# Altium PCB spd150.PcbDoc (part 1 of 16) (continued)
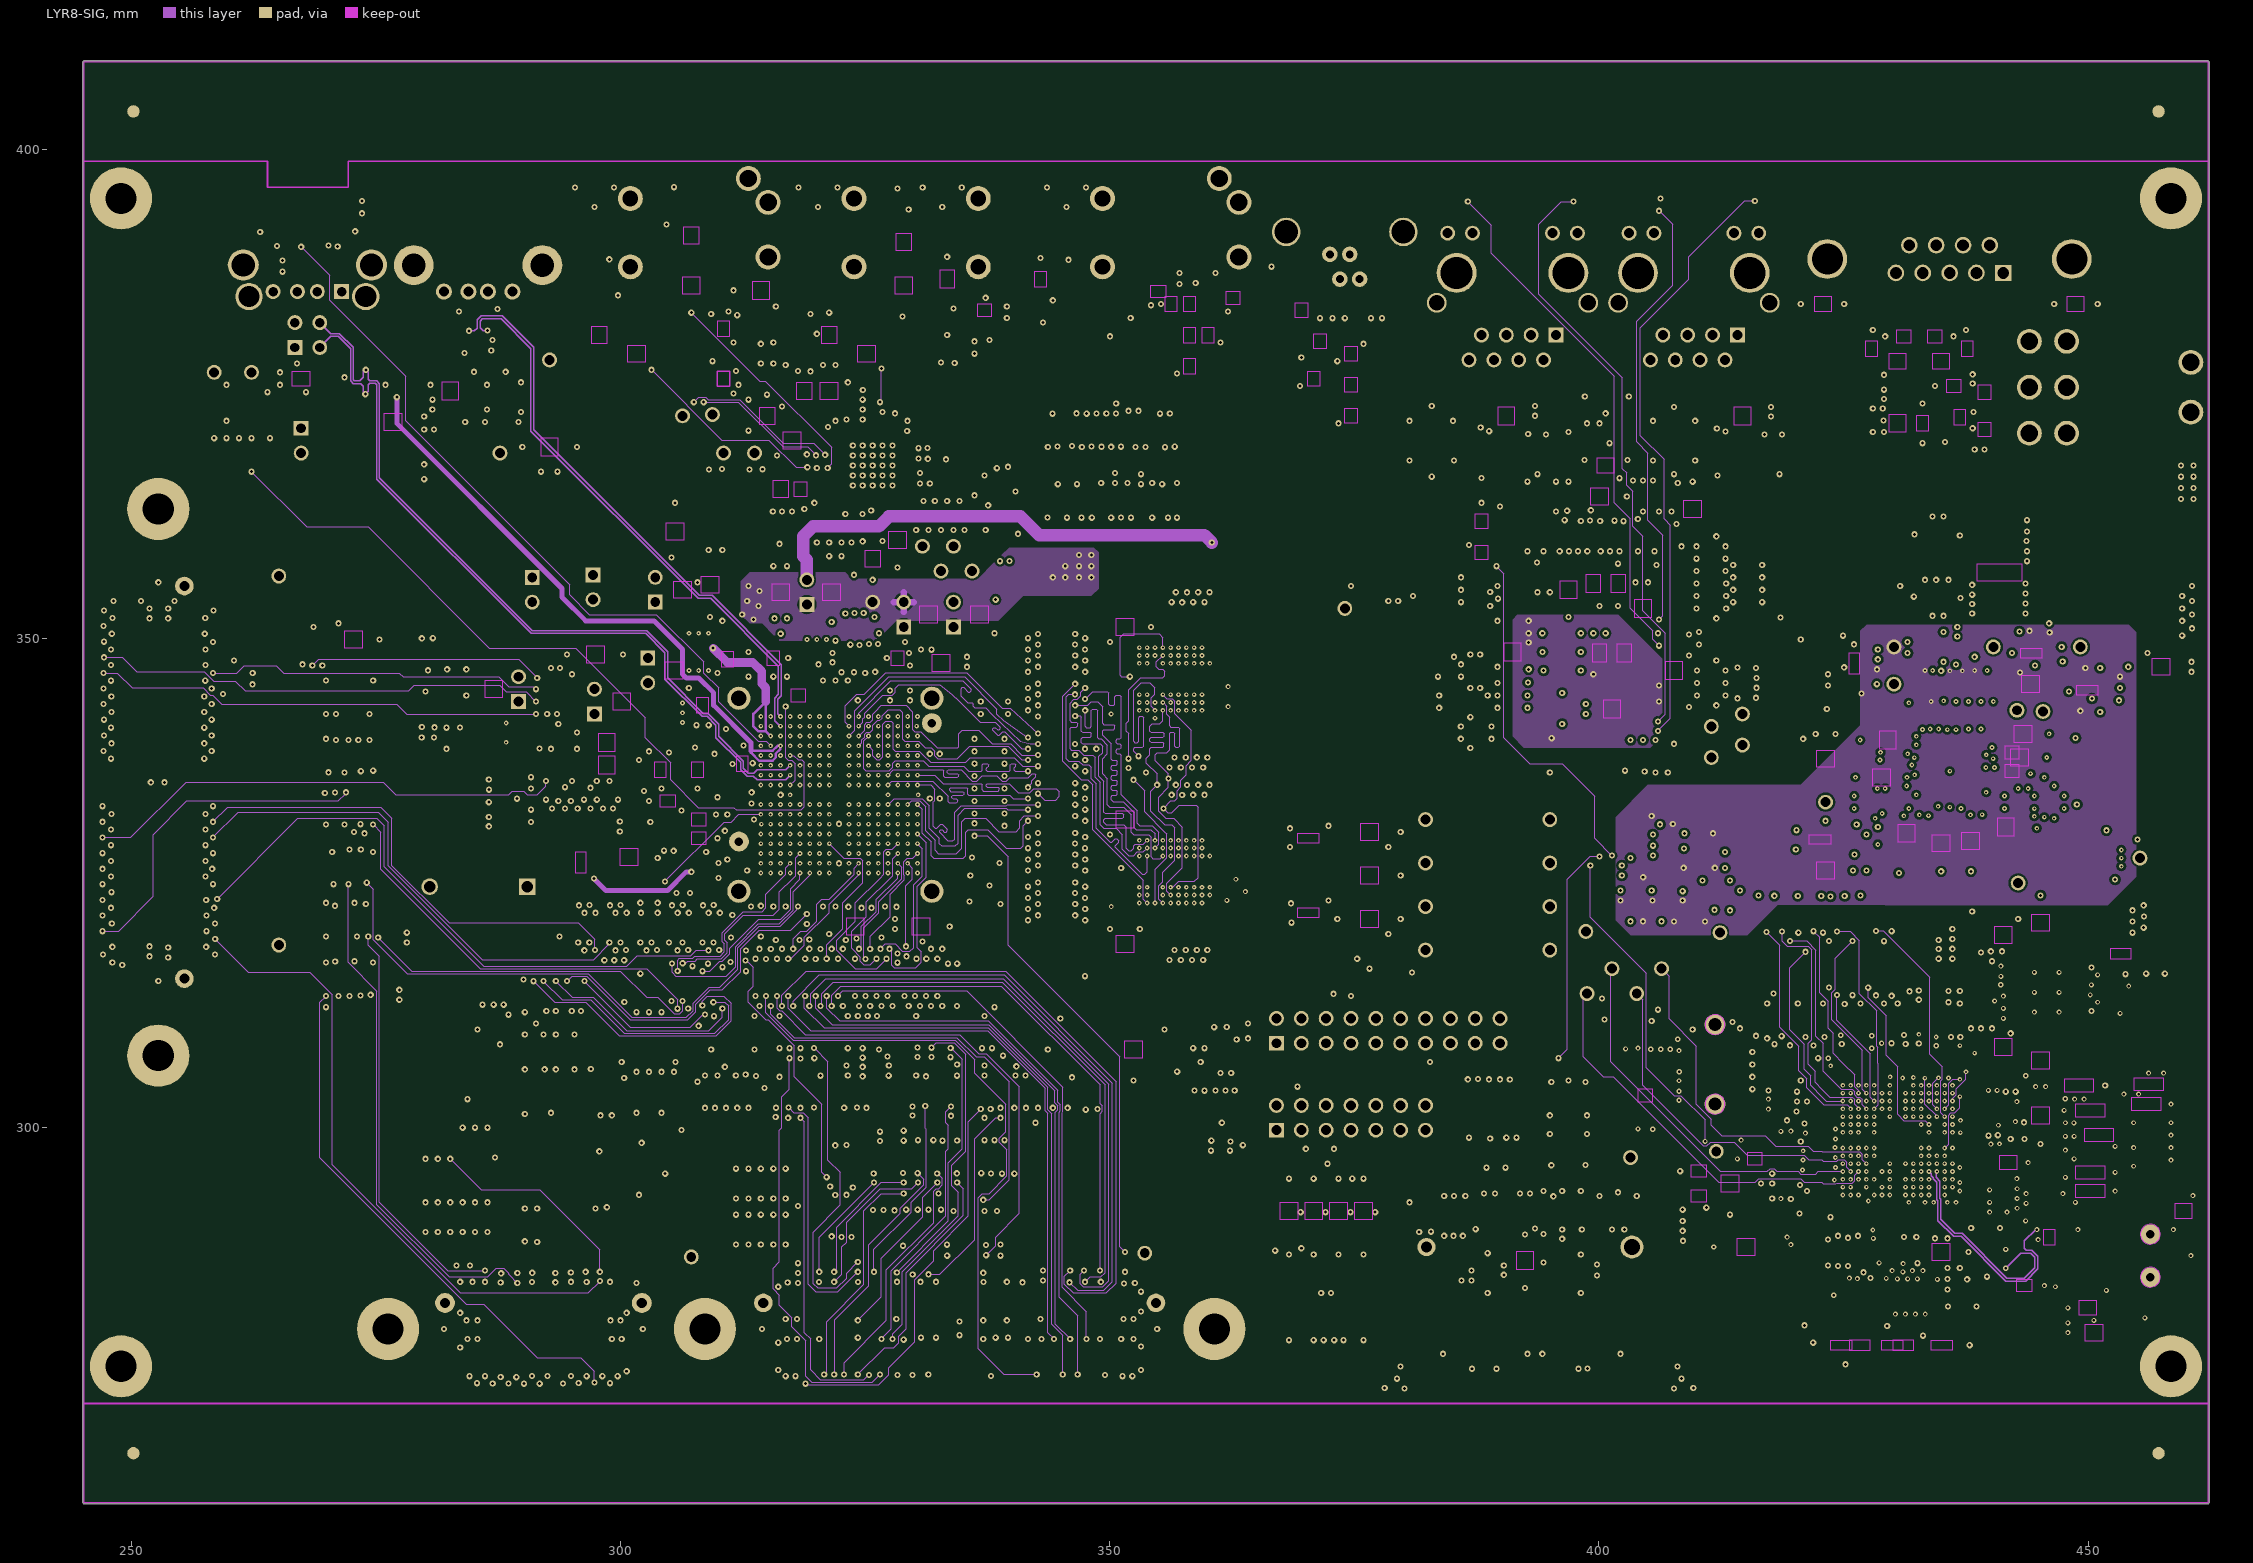
[diagram p8: LYR8-SIG]
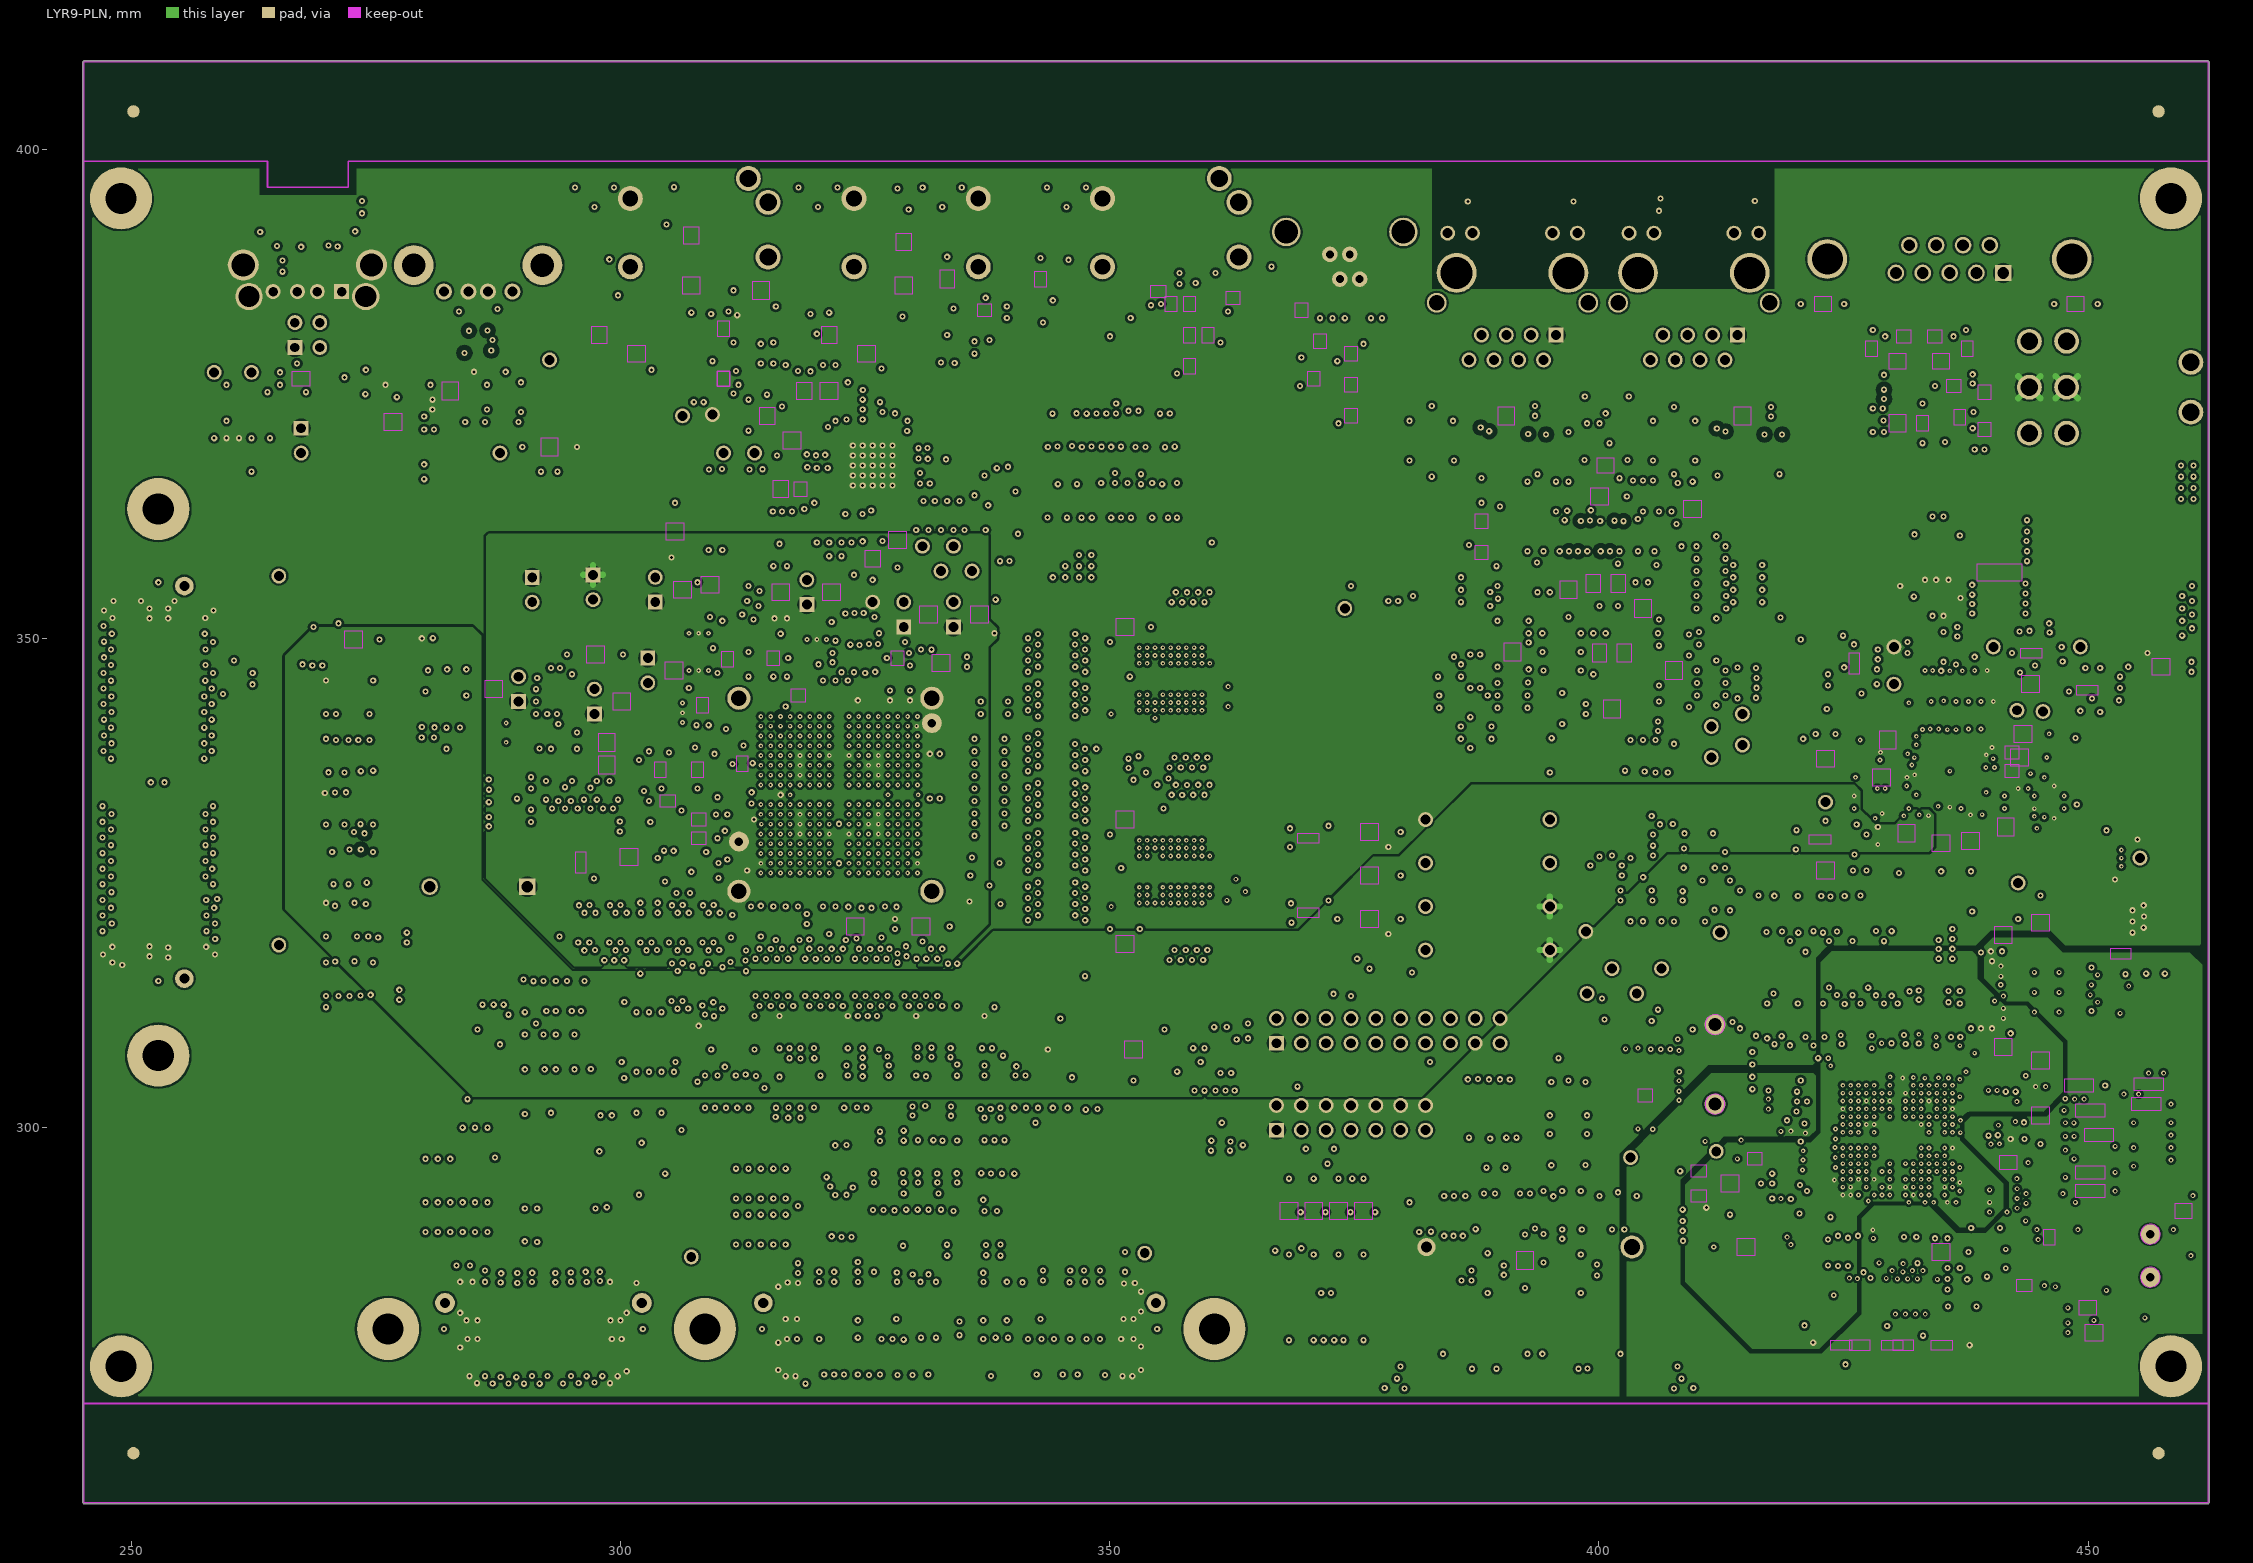
[diagram p9: LYR9-PLN]

## Layer stack, top to bottom
Top Solder: solder mask 0.0102, Solder Resist, Dk 3.5
TOP: signal copper 0.0305
Dielectric 1: core 0.2032, FR-4, Dk 4.5
LYR2-PLN: signal copper 0.0305
Dielectric2: core 0.2032, FR-4, Dk 4.5
LYR3-SIG: signal copper 0.0305
Dielectric3: core 0.2032, FR-4, Dk 4.5
LYR4-SIG: signal copper 0.0305
Dielectric4: core 0.2032, FR-4, Dk 4.5
LYR5-PLN: signal copper 0.0305
Dielectric5: core 0.2032, FR-4, Dk 4.5
LYR6-PLN: signal copper 0.0305
Dielectric6: core 0.2032, FR-4, Dk 4.5
LYR7-SIG: signal copper 0.0305
Dielectric7: core 0.2032, FR-4, Dk 4.5
LYR8-SIG: signal copper 0.0305
Dielectric8: core 0.2032, FR-4, Dk 4.5
LYR9-PLN: signal copper 0.0305
Dielectric9: core 0.2032, FR-4, Dk 4.5
BOTTOM: signal copper 0.0305
Bottom Solder: solder mask 0.0102, Solder Resist, Dk 3.5

## Board outline
245.021,261.62 245.11,261.531 462.28,261.531 462.369,261.62 462.369,408.94 462.28,409.029 245.11,409.029 245.021,408.94

## Design rules (kind name [scope] priority, off if disabled: settings)
Clearance Net_Clearance_14 [InNet('N16933246')] p1: gap=0.508
Clearance Net_Clearance_13 [InNet('N16933323')] p2: gap=0.508
Clearance Net_Clearance_12 [InNet('TXP2')] p3: gap=0.508
Clearance Net_Clearance_11 [InNet('TXM2')] p4: gap=0.508
Clearance Net_Clearance_10 [InNet('RXP2')] p5: gap=0.508
Clearance Net_Clearance_9 [InNet('RXP1')] p6: gap=0.508
Clearance Net_Clearance_8 [InNet('USB_DM')] p7: gap=0.508
Clearance Net_Clearance_7 [InNet('USB_DP')] p8: gap=0.508
Clearance Net_Clearance_6 [InNet('TXM1')] p9: gap=0.508
Clearance Net_Clearance_5 [InNet('TXP1')] p10: gap=0.508
Clearance Net_Clearance_4 [InNet('RXM1')] p11: gap=0.508
Clearance Net_Clearance_3 [InNet('RXM2')] p12: gap=0.508
Clearance Net_Clearance_2 [InNet('UART2_TXD')] p13: gap=0.508
Clearance Net_Clearance_1 [InNet('UART2_RXD')] p14: gap=0.508
Clearance [All] p15: gap=0.254
PlaneConnect [All] p1: planeconnectstyle=Direct reliefexpansion=0.508 reliefentries=4 reliefconductorwidth=0.254 reliefairgap=0.254
PolygonConnect [All] p1: connectstyle=Direct reliefconductorwidth=0.254 reliefentries=4 polygonreliefangle="90 Angle" airgapwidth=0.254
RoutingVias [All] p1: holewidth=0.711 width=1.27 viastyle="Through Hole" minholewidth=0.711 minwidth=1.27 maxholewidth=0.711 maxwidth=1.27
SolderMaskExpansion [All] p1: expansion=0.102
Width [All] p1: maxlimit=0.254 minlimit=0.254 preferedwidth=0.254 impedancedriven=TRUE minimp=0.000000 maximp=0.000000 favimp=0.000000
29 further rules are at their usual default settings.

## Components (designator, comment, footprint, x,y, rotation, side; value= is the part's Value field where it differs from the comment)
C1 "CAP NP_C402-25_0.1UF" C402-25#1 280.035,348.615 r180 bottom
C2 "CAP NP_1_C402-25_0.1UF" C402-25#1 292.1,337.185 r180 bottom
C3 "CAP NP_2_C402-25_.1UF" C402-25#1 289.814,331.724 r90 bottom
C4 "CAP NP_2_C402-25_.1UF" C402-25#1 289.814,335.153 r90 bottom
C5 "CAP NP_1_C402-25_0.1UF" C402-25#1 339.09,360.68 r180 bottom
C6 "CAP NP_1_C402-25_0.1UF" C402-25#1 339.09,366.395 r180 bottom
C7 "CAP NP_1_C402-25_0.1UF" C402-25#1 350.52,363.855 r270 bottom
C8 "CAP NP_0_C402-25_.01UF" C402-25#1 351.79,363.855 r270 bottom
C9 "CAP NP_C402-25_0.1UF" C402-25#1 269.875,344.17 r90 bottom
C10 "CAP NP_C402-25_0.1UF" C402-25#1 309.245,309.88 r90 bottom
C11 "CAP NP_C402-25_0.1UF" C402-25#1 269.875,321.31 r90 bottom
C12 "CAP NP_C402-25_0.1UF" C402-25#1 269.875,332.74 r90 bottom
C13 "CAP 4_1.7UF TAN 10V 20% EIA_A_C" C1206-40X70-POL#1 292.735,369.57 r0 bottom
C14 "CAP 4_1.7UF TAN 10V 20% EIA_A_1" C1206-40X70P 276.733,372.11 r0 top
C15 "CAP 100NF CERMC 16V 10% 603_C40" C402-25#1 266.7,377.19 r180 bottom
C16 "CAP 4_1.7UF TAN 10V 20% EIA_A_2" C7343-84X118 274.955,367.03 r0 top
C17 "CAP NP_C402-25_0.001UF" C402-25#2 308.483,339.725 r270 top
C18 "CAP NP_C402-25_0.1UF" C402-25#1 308.483,339.725 r90 bottom
C19 "CAP NP_C402-25_0.01UF" C402-25#1 309.88,339.725 r90 bottom
C20 "CAP NP_C603-35X45_1UF" C603-35X45#1 312.42,337.185 r90 bottom
C21 "CAP NP_C402-25_0.001UF" C402-25#2 318.77,347.345 r180 top
C22 "CAP NP_C402-25_0.1UF" C402-25#1 318.77,347.345 r0 bottom
C23 "CAP NP_C402-25_0.01UF" C402-25#1 318.77,346.075 r0 bottom
C24 "CAP NP_C603-35X45_1UF" C603-35X45#1 318.135,344.17 r0 bottom
C25 "CAP NP_C402-25_0.1UF" C402-25#2 437.134,281.686 r0 top
C26 "CAP NP_C402-25_NO-POP" C402-25#1 315.595,347.98 r270 bottom
C27 "CAP NP_C603-35X45_.22UF" C603-35X45#2 315.595,347.98 r90 top
C28 "CAP 4_1.7UF TAN 10V 20% EIA_A_C" C1206-40X70-POL#1 282.575,375.285 r270 bottom
C29 "CAP 4_1.7UF TAN 10V 20% EIA_A_2" C7343-84X118 292.735,372.11 r270 top
C30 "CAP 100NF CERMC 16V 10% 603_C40" C402-25#1 288.29,375.92 r180 bottom
C31 "CAP NP_C402-25_0.001UF" C402-25#2 308.737,342.646 r270 top
C32 "CAP NP_C402-25_0.1UF" C402-25#1 313.055,341.122 r90 bottom
C33 "CAP NP_C402-25_0.01UF" C402-25#1 311.785,341.122 r90 bottom
C34 "CAP NP_C603-35X45_1UF" C603-35X45#1 308.356,343.154 r90 bottom
C35 "CAP NP_C402-25_0.001UF" C402-25#2 310.515,350.266 r90 top
C36 "CAP NP_C402-25_0.1UF" C402-25#2 310.515,347.726 r270 top
C37 "CAP NP_C402-25_0.01UF" C402-25#1 309.753,350.52 r270 bottom
C38 "CAP NP_C603-35X45_1UF" C603-35X45#1 310.896,347.853 r90 bottom
C39 "CAP NP_2_C402-25_.1UF" C402-25#1 312.801,321.183 r180 bottom
C40 "CAP NP_C402-25_0.1UF" C402-25#1 316.23,309.88 r90 bottom
C41 "CAP NP_C402-25_0.1UF" C402-25#1 323.215,309.88 r90 bottom
C42 "CAP NP_C402-25_0.1UF" C402-25#1 330.2,309.88 r90 bottom
C43 "CAP NP_C402-25_0.1UF" C402-25#1 337.185,309.88 r90 bottom
C44 "CAP NP_C402-25_0.1UF" C402-25#2 308.483,325.501 r0 top
C45 "CAP NP_C402-25_0.01UF" C402-25#2 308.483,327.025 r0 top
C46 "CAP NP_3_C603-35X45_18 PF" C603-35X45#1 307.975,329.565 r0 bottom
C47 "CAP NP_3_C603-35X45_18 PF" C603-35X45#1 307.975,331.47 r0 bottom
C48 "CAP NP_3_C603-35X45_18 PF" C603-35X45#1 304.038,336.55 r270 bottom
C49 "CAP NP_3_C603-35X45_18 PF" C603-35X45#1 307.848,336.55 r270 bottom
C50 "CAP NP_7_C603-35X45_22PF" C603-35X45#2 304.8,333.375 r180 top
C51 "CAP NP_C402-25_0.1UF" C402-25#1 306.07,326.136 r90 bottom
C52 "CAP NP_C603-35X45_1UF" C603-35X45#2 328.295,347.98 r90 top
C53 "CAP NP_C402-25_0.01UF" C402-25#3 318.783,334.01 r0 bottom
C54 "CAP NP_C402-25_0.1UF" C402-25#4 325.882,334.01 r180 bottom
C55 "CAP NP_C402-25_0.001UF" C402-25#1 328.295,347.98 r270 bottom
C56 "CAP NP_C402-25_0.1UF" C402-25#5 314.3,339.565 r0 bottom
C57 "CAP NP_C402-25_0.1UF" C402-25#1 312.496,347.345 r270 bottom
C58 "CAP NP_C402-25_0.01UF" C402-25#1 313.812,347.261 r270 bottom
C59 "NPCAP_0_C402-25_0.1UF" C402-25#4 323.85,334.01 r180 bottom
C60 "NPCAP_0_C402-25_0.1UF" C402-25#4 322.326,334.518 r90 bottom
C61 "NPCAP_0_C402-25_0.1UF" C402-25#1 312.42,332.105 r180 bottom
C62 "NPCAP_0_C402-25_0.1UF" C402-25#6 320.319,331.495 r0 bottom
C63 "NPCAP_0_C402-25_0.1UF" C402-25#1 332.105,334.645 r0 bottom
C64 "NPCAP_0_C402-25_0.1UF" C402-25#4 322.326,332.486 r90 bottom
C65 "NPCAP_0_C402-25_0.1UF" C402-25#4 320.319,332.511 r0 bottom
C66 "NPCAP_0_C402-25_0.1UF" C402-25#4 322.326,336.55 r90 bottom
C67 "NPCAP_0_C402-25_0.1UF" C402-25#4 320.802,334.01 r0 bottom
C68 "NPCAP_0_C402-25_0.1UF" C402-25#4 320.319,336.525 r0 bottom
C69 "CAP P_C1206-40X70P_33UF" C1206-40X70P 297.434,348.361 r0 top
C70 "CAP P_C1206-40X70P_33UF" C1206-40X70P 323.977,320.548 r0 top
C71 "CAP P_C1206-40X70P_33UF" C1206-40X70P 332.74,347.472 r0 top
C72 "CAP P_C1206-40X70P_33UF" C1206-40X70P 309.118,355.473 r90 top
C73 "NPCAP_0_C402-25_0.1UF" C402-25#4 324.333,331.521 r180 bottom
C74 "NPCAP_0_C402-25_0.1UF" C402-25#4 324.333,335.509 r180 bottom
C75 "NPCAP_0_C402-25_0.1UF" C402-25#4 320.319,335.509 r0 bottom
C76 "NPCAP_0_C402-25_0.1UF" C402-25#4 324.333,336.525 r180 bottom
C77 "NPCAP_0_C402-25_0.1UF" C402-25#7 324.307,332.549 r180 bottom
C78 "NPCAP_0_C402-25_0.1UF" C402-25#1 328.549,344.17 r90 bottom
C79 "NPCAP_0_C402-25_0.1UF" C402-25#1 326.517,344.17 r90 bottom
C80 "NPCAP_0_C402-25_0.1UF" C402-25#4 325.323,330.505 r180 bottom
C81 "NPCAP_0_C402-25_0.1UF" C402-25#1 312.42,327.406 r180 bottom
C82 "NPCAP_0_C402-25_0.1UF" C402-25#1 332.105,337.185 r0 bottom
C83 "NPCAP_0_C402-25_0.1UF" C402-25#3 323.304,330.505 r0 bottom
C84 "NPCAP_0_C402-25_0.1UF" C402-25#1 332.105,336.169 r0 bottom
C85 "NPCAP_0_C402-25_0.1UF" C402-25#8 325.349,337.604 r180 bottom
C86 "NPCAP_0_C402-25_0.1UF" C402-25#9 321.335,330.505 r180 bottom
C87 "NPCAP_0_C402-25_0.1UF" C402-25#10 325.349,329.489 r180 bottom
C88 "NPCAP_0_C402-25_0.1UF" C402-25#4 314.833,334.01 r180 bottom
C89 "NPCAP_0_C402-25_0.1UF" C402-25#4 319.329,329.514 r0 bottom
C90 "NPCAP_0_C402-25_0.1UF" C402-25#4 319.329,338.506 r0 bottom
C91 "NPCAP_0_C402-25_0.1UF" C402-25#4 326.339,338.531 r0 bottom
C92 "NPCAP_0_C402-25_0.1UF" C402-25#4 322.326,339.471 r90 bottom
C93 "NPCAP_0_C402-25_0.1UF" C402-25#1 337.185,322.453 r0 bottom
C94 "NPCAP_0_C402-25_0.1UF" C402-25#1 312.42,330.835 r180 bottom
C95 "NPCAP_0_C402-25_0.1UF" C402-25#4 328.803,334.01 r0 bottom
C96 "NPCAP_0_C402-25_0.1UF" C402-25#11 319.303,330.53 r0 bottom
C97 "NPCAP_0_C402-25_0.1UF" C402-25#4 319.329,337.515 r0 bottom
C98 "NPCAP_0_C402-25_0.1UF" C402-25#4 322.326,328.422 r270 bottom
C99 "NPCAP_0_C402-25_0.1UF" C402-25#1 323.215,344.17 r90 bottom
C100 "CAP P_C1206-40X70P_33UF" C1206-40X70P 316.357,354.711 r90 top
C101 "CAP P_C1206-40X70P_33UF" C1206-40X70P 336.677,352.425 r90 top
C102 "CAP P_C1206-40X70P_33UF" C1206-40X70P 330.708,320.548 r0 top
C103 "CAP P_C1206-40X70P_33UF" C1206-40X70P 305.562,360.934 r90 top
C104 "CAP P_C1206-40X70_22 UF" C1206-40X70#1 272.669,349.885 r0 top
C105 "CAP P_C1206-40X70_22 UF" C1206-40X70#1 351.539,331.47 r0 top
C106 "CAP NP_0_C402-25_0.1UF" C402-25#1 359.794,326.898 r180 bottom
C107 "CAP NP_0_C402-25_0.1UF" C402-25#1 361.483,325.374 r180 bottom
C108 "CAP NP_0_C402-25_0.1UF" C402-25#1 359.324,325.374 r180 bottom
C109 "CAP NP_0_C402-25_0.1UF" C402-25#1 351.539,322.58 r0 bottom
C110 "CAP NP_0_C402-25_0.1UF" C402-25#1 358.524,345.059 r180 bottom
C111 "CAP NP_0_C402-25_0.1UF" C402-25#1 359.794,346.583 r180 bottom
C112 "CAP NP_0_C402-25_0.1UF" C402-25#1 362.461,324.104 r180 bottom
C113 "CAP NP_0_C402-25_0.1UF" C402-25#1 357.254,326.898 r0 bottom
C114 "CAP P_C1206-40X70_22 UF" C1206-40X70#1 351.539,351.155 r0 top
C115 "CAP P_C1206-40X70_22 UF" C1206-40X70#1 351.539,318.77 r0 top
C116 "CAP NP_0_C402-25_0.1UF" C402-25#1 356.492,345.059 r180 bottom
C117 "CAP NP_0_C402-25_0.1UF" C402-25#1 360.683,343.027 r180 bottom
C118 "CAP NP_0_C402-25_0.1UF" C402-25#1 357.254,346.583 r0 bottom
C119 "CAP NP_0_C402-25_0.1UF" C402-25#1 357.292,325.374 r180 bottom
C120 "CAP NP_0_C402-25_0.1UF" C402-25#1 351.539,342.265 r0 bottom
C121 "CAP NP_0_C402-25_0.1UF" C402-25#1 360.683,345.059 r180 bottom
C122 "CAP NP_C402-25_0.1UF" C402-25#1 291.465,290.195 r90 bottom
C123 "CAP NP_1_C402-25_0.1UF" C402-25#1 290.195,313.69 r90 bottom
C124 "CAP NP_2_C402-25_.1UF" C402-25#1 287.655,310.515 r270 bottom
C125 "CAP NP_2_C402-25_.1UF" C402-25#1 300.355,314.96 r270 bottom
C126 "CAP .1 UF 10% 0603_C402-25_.1UF" C402-25#1 302.26,310.515 r0 bottom
C127 "CAP NP_C603-35X45_1UF" C603-35X45#1 433.07,371.983 r270 bottom
C128 "CAPACITOR POL_0_C1206-40X70-POL" C1206-40X70-POL#1 430.53,371.983 r270 bottom
C129 "CAP NP_C603-35X45_10PF" C603-35X45#1 427.863,379.603 r270 bottom
C130 "CAP NP_C603-35X45_10PF" C603-35X45#1 431.165,380.873 r0 bottom
C131 "CAP NP_C603-35X45_10PF" C603-35X45#1 437.642,379.603 r270 bottom
C132 "CAP NP_C603-35X45_10PF" C603-35X45#1 434.34,380.873 r180 bottom
C133 "CAP NP_C603-35X45_1UF" C603-35X45#1 436.88,372.618 r270 bottom
C134 "CAP NP_C603-35X45_1UF" C603-35X45#2 439.42,375.158 r90 top
C135 "CAP NP_C603-35X45_1UF" C603-35X45#1 436.245,375.793 r0 bottom
C136 "CAP NP_C603-35X45_1UF" C603-35X45#2 439.42,371.348 r270 top
C137 "CAP NP_1_C402-25_0.1UF" C402-25#1 322.58,297.18 r180 bottom
C138 "CAP NP_1_C402-25_0.1UF" C402-25#1 322.58,292.1 r180 bottom
C139 "CAP NP_1_C402-25_0.1UF" C402-25#1 332.74,289.56 r270 bottom
C140 "CAP NP_0_C402-25_.01UF" C402-25#1 334.01,289.56 r270 bottom
C141 "10UF-10V-293D-C_1_DISCRETE_C120" C1206-40X70-POL#1 392.43,286.385 r90 bottom
C142 "0402_0R1UF_X7R_10V_10_C402-25_0" C402-25#1 394.335,287.655 r270 bottom
C143 "CAP NP_0_C402-25_0.1UF" C402-25#1 359.41,302.26 r180 bottom
C144 "CAP NP_1_C402-25_NO POP" C402-25#1 363.347,307.594 r270 bottom
C145 "CAP NP_0_C402-25_0.1UF" C402-25#1 360.68,308.61 r90 bottom
C146 "CAP NP_0_C402-25_.1 UF" C402-25#1 371.475,297.815 r0 bottom
C147 "CAP NP_0_C402-25_0.1UF" C402-25#1 387.35,303.53 r180 bottom
C148 "CAP NP_0_C402-25_0.1UF" C402-25#1 373.38,314.96 r90 bottom
C149 "CAP NP_0_C402-25_.1 UF" C402-25#1 375.92,314.96 r270 bottom
C150 "CAPACITOR POL_0_C1206-40X70-POL" C1206-40X70-POL#2 328.295,360.045 r270 top
C151 "CAP NP_C402-25_.1UF" C402-25#2 323.85,358.14 r90 top
C152 "CAP NP_C402-25_.1UF" C402-25#2 326.39,361.315 r270 top
C153 "CAP NP_C402-25_.1UF" C402-25#1 322.58,370.84 r90 bottom
C154 "CAP NP_C402-25_.1UF" C402-25#1 327.66,371.475 r90 bottom
C155 "CAPACITOR POL_0_C1206-40X70-POL" C1206-40X70-POL#2 321.31,375.285 r90 top
C156 "CAP NP_C402-25_.1UF" C402-25#1 326.39,371.475 r90 bottom
C157 "CAP NP_C402-25_.1UF" C402-25#2 323.215,374.65 r90 top
C158 "CAP NP_C402-25_.1UF" C402-25#2 344.17,382.905 r270 top
C159 "CAP NP_C402-25_.1UF" C402-25#2 319.786,365.506 r270 top
C160 "CAP NP_C603-35X45_1UF" C603-35X45#2 318.389,365.252 r270 top
C161 "CAP NP_C603-35X45_220PF" C603-35X45#1 342.9,386.715 r270 bottom
C162 "CAPACITOR POL_0_C1206-40X70-POL" C1206-40X70-POL#2 317.5,370.205 r270 top
C163 "CAP NP_C402-25_.1UF" C402-25#2 320.675,370.205 r270 top
C164 "CAP NP_C402-25_.1UF" C402-25#2 319.405,370.205 r270 top
C165 "CAP NP_C402-25_.1UF" C402-25#2 313.055,372.745 r270 top
C166 "CAP NP_C402-25_.1UF" C402-25#2 332.74,367.03 r180 top
C167 "CAP NP_C603-35X45_220PF" C603-35X45#2 354.965,385.445 r0 top
C168 "CAPACITOR POL_0_C1206-40X70P_33" C1206-40X70P 325.12,379.095 r180 top
C169 "CAPACITOR POL_0_C1206-40X70P_33" C1206-40X70P 328.93,386.08 r90 top
C170 "CAP NP_C402-25_.1UF" C402-25#2 332.74,382.27 r270 top
C171 "CAP NP_C603-35X45_220PF" C603-35X45#1 337.185,383.54 r180 bottom
C172 "CAP NP_C402-25_.1UF" C402-25#1 334.645,380.365 r180 bottom
C173 "CAPACITOR POL_0_C1206-40X70-P_1" C1206-40X70-POL#2 301.625,379.095 r180 top
C174 "CAPACITOR POL_0_C1206-40X70-P_1" C1206-40X70-POL#2 307.213,386.08 r90 top
C175 "CAP NP_1_C402-25_.1UF" C402-25#2 316.23,361.315 r90 top
C176 "CAP NP_1_C603-35X45_0.22UF" C603-35X45#1 358.14,377.825 r270 bottom
C177 "CAP NP_1_C603-35X45_0.22UF" C603-35X45#1 358.14,381 r270 bottom
C178 "CAP NP_1_C603-35X45_0.47UF" C603-35X45#1 360.045,381 r90 bottom
C179 "CAP NP_1_C603-35X45_18PF" C603-35X45#1 310.515,381.635 r90 bottom
C180 "CAP NP_1_C603-35X45_0.22UF" C603-35X45#1 356.235,384.175 r90 bottom
C181 "CAP NP_1_C603-35X45_0.22UF" C603-35X45#1 358.14,384.175 r270 bottom
C182 "CAP NP_1_C603-35X45_0.47UF" C603-35X45#1 362.585,384.81 r180 bottom
C183 "CAPACITOR POL_0_C1206-40X70_22U" C1206-40X70#2 314.325,385.572 r0 bottom
C184 "CAP NP_1_C402-25_0.1UF" C402-25#2 313.817,381.127 r0 top
C185 "CAP NP_1_C603-35X45_0.47UF" C603-35X45#2 310.515,376.555 r90 top
C186 "CAP NP_1_C603-35X45_0.47UF" C603-35X45#1 310.515,376.555 r90 bottom
C187 "CAP NP_1_C402-25_0.01UF" C402-25#1 309.245,384.81 r90 bottom
C188 "CAP NP_1_C402-25_0.01UF" C402-25#1 319.405,384.81 r90 bottom
C189 "CAP NP_1_C402-25_0.1UF" C402-25#2 315.595,376.555 r270 top
C190 "CAP NP_1_C603-35X45_0.22UF" C603-35X45#2 370.84,376.555 r90 top
C191 "CAP NP_1_C603-35X45_0.22UF" C603-35X45#2 371.475,380.365 r90 top
C192 "CAP NP_1_C603-35X45_0.47UF" C603-35X45#2 369.57,383.54 r90 top
C193 "CAP NP_1_C603-35X45_0.22UF" C603-35X45#2 374.65,372.745 r90 top
C194 "CAP NP_1_C603-35X45_0.22UF" C603-35X45#2 374.65,375.92 r90 top
C195 "CAP NP_1_C603-35X45_0.47UF" C603-35X45#2 374.65,379.095 r90 top
C196 "CAP NP_1_C402-25_0.01UF" C402-25#2 372.745,384.175 r270 top
C197 "CAP NP_1_C402-25_0.01UF" C402-25#2 376.555,384.175 r270 top
C198 "CAP NP_C402-25_0.01UF" C402-25#1 378.46,352.425 r180 bottom
C199 "CAP NP_C603-35X45_NO-POP" C603-35X45#2 387.985,358.775 r270 top
C200 "CAP NP_C603-35X45_NO-POP" C603-35X45#2 387.985,361.95 r270 top
C201 "CAPACITOR POL_0_C1206-40X70-POL" C1206-40X70-POL#1 407.67,346.71 r270 bottom
C202 "CAPACITOR POL_0_C1206-40X70-POL" C1206-40X70-POL#1 391.16,348.615 r90 bottom
C203 "CAPACITOR POL_0_C7343-84X118_10" C7343-84X118 415.29,349.885 r0 top
C204 "CAP NP_C402-25_0.1UF" C402-25#1 391.16,351.79 r0 bottom
C205 "CAP NP_C402-25_0.1UF" C402-25#1 394.97,337.82 r90 bottom
C206 "CAP NP_C402-25_0.1UF" C402-25#1 407.67,343.535 r180 bottom
C207 "CAP NP_C402-25_0.1UF" C402-25#1 400.05,351.79 r270 bottom
C208 "CAP NP_C402-25_0.1UF" C402-25#1 403.225,337.82 r90 bottom
C209 "CAP NP_C402-25_0.1UF" C402-25#1 391.16,345.44 r0 bottom
C210 "CAP NP_C402-25_0.1UF" C402-25#1 407.67,350.52 r180 bottom
C211 "CAPACITOR POL_0_C1206-40X70-POL" C1206-40X70-POL#1 401.32,342.773 r0 bottom
C212 "CAPACITOR POL_0_C1206-40X70-POL" C1206-40X70-POL#1 404.495,353.06 r270 bottom
C213 "CAP NP_C402-25_0.1UF" C402-25#1 401.955,351.79 r270 bottom
C214 "CAPACITOR POL_0_C7343-84X118_47" C7343-84X118 400.685,371.475 r90 top
C215 "CAP NP_C402-25_0.01UF" C402-25#1 398.78,370.205 r270 bottom
C216 "CAP NP_C402-25_0.1UF" C402-25#1 400.05,370.205 r270 bottom
C217 "CAPACITOR POL_0_C1206-40X70-P_2" C1206-40X70-POL#1 396.875,354.965 r90 bottom
C218 "CAP NP_C402-25_0.001UF" C402-25#1 393.7,356.235 r90 bottom
C219 "CAP NP_C402-25_0.1UF" C402-25#1 394.97,356.235 r90 bottom
C220 "CAPACITOR POL_0_C1206-40X70-POL" C1206-40X70-POL#2 400.05,364.49 r0 top
C221 "CAPACITOR POL_0_C1206-40X70-POL" C1206-40X70-POL#2 409.575,363.22 r90 top
C222 "CAP NP_C402-25_0.1UF" C402-25#1 403.987,360.426 r90 bottom

## Text inside footprints (layer, text, board x,y; h text height)
RN1: PIN_NUMBER "5" at 308.219,319.773 h0.25 r270; PIN_NUMBER "3" at 308.793,320.942 h0.25 r270; PIN_NUMBER "6" at 308.793,319.773 h0.25 r270; PIN_NUMBER "8" at 309.865,319.773 h0.25 r270; PIN_NUMBER "1" at 309.865,320.942 h0.25 r270; PIN_NUMBER "4" at 308.219,320.942 h0.25 r270; PIN_NUMBER "7" at 309.291,319.773 h0.25 r270; PIN_NUMBER "2" at 309.291,320.942 h0.25 r270; ASSEMBLY_TOP "RPACK4-22" at 310.246,323.342 h1.02 r180; ASSEMBLY_TOP "TOL" at 310.373,323.342 h1.02 r180; ASSEMBLY_TOP "PART#" at 310.373,323.342 h1.02 r180
RN2: PIN_NUMBER "4" at 293.179,344.866 h0.25 r180; PIN_NUMBER "2" at 293.179,343.794 h0.25 r180; PIN_NUMBER "5" at 292.011,344.866 h0.25 r180; PIN_NUMBER "1" at 293.179,343.22 h0.25 r180; PIN_NUMBER "6" at 292.011,344.292 h0.25 r180; PIN_NUMBER "7" at 292.011,343.794 h0.25 r180; PIN_NUMBER "8" at 292.011,343.22 h0.25 r180; PIN_NUMBER "3" at 293.179,344.292 h0.25 r180; ASSEMBLY_TOP "RPACK4-22" at 295.783,343.042 h1.02 r90; ASSEMBLY_TOP "TOL" at 295.783,342.915 h1.02 r90; ASSEMBLY_TOP "PART#" at 295.783,342.915 h1.02 r90
RN3: PIN_NUMBER "2" at 306.116,320.942 h0.25 r270; PIN_NUMBER "5" at 305.044,319.773 h0.25 r270; PIN_NUMBER "1" at 306.69,320.942 h0.25 r270; PIN_NUMBER "3" at 305.618,320.942 h0.25 r270; PIN_NUMBER "6" at 305.618,319.773 h0.25 r270; PIN_NUMBER "7" at 306.116,319.773 h0.25 r270; PIN_NUMBER "8" at 306.69,319.773 h0.25 r270; PIN_NUMBER "4" at 305.044,320.942 h0.25 r270; ASSEMBLY_TOP "RPACK4-22" at 307.071,323.342 h1.02 r180; ASSEMBLY_TOP "TOL" at 307.198,323.342 h1.02 r180; ASSEMBLY_TOP "PART#" at 307.198,323.342 h1.02 r180
RN4: PIN_NUMBER "7" at 302.941,319.773 h0.25 r270; PIN_NUMBER "8" at 303.515,319.773 h0.25 r270; PIN_NUMBER "6" at 302.443,319.773 h0.25 r270; PIN_NUMBER "1" at 303.515,320.942 h0.25 r270; PIN_NUMBER "5" at 301.869,319.773 h0.25 r270; PIN_NUMBER "2" at 302.941,320.942 h0.25 r270; PIN_NUMBER "3" at 302.443,320.942 h0.25 r270; PIN_NUMBER "4" at 301.869,320.942 h0.25 r270; ASSEMBLY_TOP "RPACK4-22" at 303.896,323.342 h1.02 r180; ASSEMBLY_TOP "TOL" at 304.023,323.342 h1.02 r180; ASSEMBLY_TOP "PART#" at 304.023,323.342 h1.02 r180
RN5: PIN_NUMBER "6" at 299.268,319.773 h0.25 r270; PIN_NUMBER "5" at 298.694,319.773 h0.25 r270; PIN_NUMBER "7" at 299.766,319.773 h0.25 r270; PIN_NUMBER "4" at 298.694,320.942 h0.25 r270; PIN_NUMBER "3" at 299.268,320.942 h0.25 r270; PIN_NUMBER "2" at 299.766,320.942 h0.25 r270; PIN_NUMBER "8" at 300.34,319.773 h0.25 r270; PIN_NUMBER "1" at 300.34,320.942 h0.25 r270; ASSEMBLY_TOP "RPACK4-22" at 300.721,323.342 h1.02 r180; ASSEMBLY_TOP "TOL" at 300.848,323.342 h1.02 r180; ASSEMBLY_TOP "PART#" at 300.848,323.342 h1.02 r180
RN6: PIN_NUMBER "2" at 296.591,320.942 h0.25 r270; PIN_NUMBER "6" at 296.093,319.773 h0.25 r270; PIN_NUMBER "4" at 295.519,320.942 h0.25 r270; PIN_NUMBER "3" at 296.093,320.942 h0.25 r270; PIN_NUMBER "7" at 296.591,319.773 h0.25 r270; PIN_NUMBER "5" at 295.519,319.773 h0.25 r270; PIN_NUMBER "8" at 297.165,319.773 h0.25 r270; PIN_NUMBER "1" at 297.165,320.942 h0.25 r270; ASSEMBLY_TOP "RPACK4-22" at 297.546,323.342 h1.02 r180; ASSEMBLY_TOP "TOL" at 297.673,323.342 h1.02 r180; ASSEMBLY_TOP "PART#" at 297.673,323.342 h1.02 r180
RN7: PIN_NUMBER "4" at 308.219,314.973 h0.25 r270; PIN_NUMBER "8" at 309.865,313.804 h0.25 r270; PIN_NUMBER "7" at 309.291,313.804 h0.25 r270; PIN_NUMBER "5" at 308.219,313.804 h0.25 r270; PIN_NUMBER "6" at 308.793,313.804 h0.25 r270; PIN_NUMBER "1" at 309.865,314.973 h0.25 r270; PIN_NUMBER "2" at 309.291,314.973 h0.25 r270; PIN_NUMBER "3" at 308.793,314.973 h0.25 r270; ASSEMBLY_TOP "RPACK4-22" at 310.246,317.373 h1.02 r180; ASSEMBLY_TOP "TOL" at 310.373,317.373 h1.02 r180; ASSEMBLY_TOP "PART#" at 310.373,317.373 h1.02 r180
RN8: PIN_NUMBER "2" at 306.116,314.973 h0.25 r270; PIN_NUMBER "3" at 305.618,314.973 h0.25 r270; PIN_NUMBER "6" at 305.618,313.804 h0.25 r270; PIN_NUMBER "1" at 306.69,314.973 h0.25 r270; PIN_NUMBER "4" at 305.044,314.973 h0.25 r270; PIN_NUMBER "5" at 305.044,313.804 h0.25 r270; PIN_NUMBER "8" at 306.69,313.804 h0.25 r270; PIN_NUMBER "7" at 306.116,313.804 h0.25 r270; ASSEMBLY_TOP "RPACK4-22" at 307.071,317.373 h1.02 r180; ASSEMBLY_TOP "TOL" at 307.198,317.373 h1.02 r180; ASSEMBLY_TOP "PART#" at 307.198,317.373 h1.02 r180
RN9: PIN_NUMBER "9" at 313.573,314.528 h0.25 r270; PIN_NUMBER "8" at 313.573,316.154 h0.25 r270; PIN_NUMBER "7" at 314.147,316.154 h0.25 r270; PIN_NUMBER "2" at 316.636,316.154 h0.25 r270; PIN_NUMBER "4" at 315.641,316.154 h0.25 r270; PIN_NUMBER "3" at 316.139,316.154 h0.25 r270; PIN_NUMBER "1" at 317.21,316.154 h0.25 r270; PIN_NUMBER "6" at 314.645,316.154 h0.25 r270; PIN_NUMBER "5" at 315.143,316.154 h0.25 r270; PIN_NUMBER "10" at 313.944,314.401 h0.25 r270; PIN_NUMBER "11" at 314.442,314.401 h0.25 r270; PIN_NUMBER "12" at 314.94,314.401 h0.25 r270; PIN_NUMBER "13" at 315.438,314.401 h0.25 r270; PIN_NUMBER "14" at 315.935,314.401 h0.25 r270; PIN_NUMBER "15" at 316.433,314.401 h0.25 r270; PIN_NUMBER "16" at 317.007,314.401 h0.25 r270; ASSEMBLY_TOP "RPACK8-22" at 317.591,318.262 h1.02 r180; ASSEMBLY_TOP "TOL" at 317.718,318.262 h1.02 r180; ASSEMBLY_TOP "PART#" at 317.718,318.262 h1.02 r180
RN10: PIN_NUMBER "5" at 330.881,314.528 h0.25 r90; PIN_NUMBER "6" at 331.379,314.528 h0.25 r90; PIN_NUMBER "3" at 329.885,314.528 h0.25 r90; PIN_NUMBER "7" at 331.876,314.528 h0.25 r90; PIN_NUMBER "9" at 332.45,316.154 h0.25 r90; PIN_NUMBER "10" at 331.673,316.281 h0.25 r90; PIN_NUMBER "11" at 331.175,316.281 h0.25 r90; PIN_NUMBER "12" at 330.678,316.281 h0.25 r90; PIN_NUMBER "13" at 330.18,316.281 h0.25 r90; PIN_NUMBER "14" at 329.682,316.281 h0.25 r90; PIN_NUMBER "15" at 329.184,316.281 h0.25 r90; PIN_NUMBER "16" at 328.61,316.281 h0.25 r90; PIN_NUMBER "1" at 328.813,314.528 h0.25 r90; PIN_NUMBER "8" at 332.45,314.528 h0.25 r90; PIN_NUMBER "2" at 329.387,314.528 h0.25 r90; PIN_NUMBER "4" at 330.383,314.528 h0.25 r90; ASSEMBLY_TOP "RPACK8-22" at 328.839,312.42 h1.02; ASSEMBLY_TOP "TOL" at 328.712,312.42 h1.02; ASSEMBLY_TOP "PART#" at 328.712,312.42 h1.02
RN11: PIN_NUMBER "8" at 318.653,316.154 h0.25 r270; PIN_NUMBER "6" at 319.725,316.154 h0.25 r270; PIN_NUMBER "5" at 320.223,316.154 h0.25 r270; PIN_NUMBER "9" at 318.653,314.528 h0.25 r270; PIN_NUMBER "2" at 321.716,316.154 h0.25 r270; PIN_NUMBER "4" at 320.721,316.154 h0.25 r270; PIN_NUMBER "3" at 321.219,316.154 h0.25 r270; PIN_NUMBER "7" at 319.227,316.154 h0.25 r270; PIN_NUMBER "11" at 319.522,314.401 h0.25 r270; PIN_NUMBER "12" at 320.02,314.401 h0.25 r270; PIN_NUMBER "13" at 320.518,314.401 h0.25 r270; PIN_NUMBER "14" at 321.015,314.401 h0.25 r270; PIN_NUMBER "15" at 321.513,314.401 h0.25 r270; PIN_NUMBER "10" at 319.024,314.401 h0.25 r270; PIN_NUMBER "16" at 322.087,314.401 h0.25 r270; PIN_NUMBER "1" at 322.29,316.154 h0.25 r270; ASSEMBLY_TOP "RPACK8-22" at 322.671,318.262 h1.02 r180; ASSEMBLY_TOP "TOL" at 322.798,318.262 h1.02 r180; ASSEMBLY_TOP "PART#" at 322.798,318.262 h1.02 r180
RN12: PIN_NUMBER "5" at 325.801,314.528 h0.25 r90; PIN_NUMBER "6" at 326.299,314.528 h0.25 r90; PIN_NUMBER "3" at 324.805,314.528 h0.25 r90; PIN_NUMBER "9" at 327.37,316.154 h0.25 r90; PIN_NUMBER "10" at 326.593,316.281 h0.25 r90; PIN_NUMBER "11" at 326.095,316.281 h0.25 r90; PIN_NUMBER "12" at 325.598,316.281 h0.25 r90; PIN_NUMBER "13" at 325.1,316.281 h0.25 r90; PIN_NUMBER "8" at 327.37,314.528 h0.25 r90; PIN_NUMBER "7" at 326.796,314.528 h0.25 r90; PIN_NUMBER "2" at 324.307,314.528 h0.25 r90; PIN_NUMBER "14" at 324.602,316.281 h0.25 r90; PIN_NUMBER "15" at 324.104,316.281 h0.25 r90; PIN_NUMBER "16" at 323.53,316.281 h0.25 r90; PIN_NUMBER "1" at 323.733,314.528 h0.25 r90; PIN_NUMBER "4" at 325.303,314.528 h0.25 r90; ASSEMBLY_TOP "RPACK8-22" at 323.759,312.42 h1.02; ASSEMBLY_TOP "TOL" at 323.632,312.42 h1.02; ASSEMBLY_TOP "PART#" at 323.632,312.42 h1.02
RN13: PIN_NUMBER "8" at 345.163,331.556 h0.25; PIN_NUMBER "9" at 343.538,331.556 h0.25; PIN_NUMBER "10" at 343.207,332.13 h0.25; PIN_NUMBER "11" at 343.207,332.628 h0.25; PIN_NUMBER "12" at 343.207,333.126 h0.25; PIN_NUMBER "13" at 343.207,333.624 h0.25; PIN_NUMBER "14" at 343.207,334.122 h0.25; PIN_NUMBER "15" at 343.207,334.62 h0.25; PIN_NUMBER "7" at 345.163,332.13 h0.25; PIN_NUMBER "16" at 343.207,335.194 h0.25; PIN_NUMBER "6" at 345.163,332.628 h0.25; PIN_NUMBER "5" at 345.163,333.126 h0.25; PIN_NUMBER "4" at 345.163,333.624 h0.25; PIN_NUMBER "3" at 345.163,334.122 h0.25; PIN_NUMBER "2" at 345.163,334.62 h0.25; PIN_NUMBER "1" at 345.163,335.194 h0.25; ASSEMBLY_BOTTOM "RPACK8-10" at 347.475,335.371 h1.02 r90; ASSEMBLY_BOTTOM "TOL" at 347.475,335.498 h1.02 r90; ASSEMBLY_BOTTOM "PART#" at 347.475,335.498 h1.02 r90
RN14: PIN_NUMBER "2" at 345.163,339.7 h0.25; PIN_NUMBER "13" at 343.207,338.704 h0.25; PIN_NUMBER "14" at 343.207,339.202 h0.25; PIN_NUMBER "15" at 343.207,339.7 h0.25; PIN_NUMBER "11" at 343.207,337.708 h0.25; PIN_NUMBER "1" at 345.163,340.274 h0.25; PIN_NUMBER "9" at 343.538,336.636 h0.25; PIN_NUMBER "12" at 343.207,338.206 h0.25; PIN_NUMBER "10" at 343.207,337.21 h0.25; PIN_NUMBER "5" at 345.163,338.206 h0.25; PIN_NUMBER "16" at 343.207,340.274 h0.25; PIN_NUMBER "6" at 345.163,337.708 h0.25; PIN_NUMBER "4" at 345.163,338.704 h0.25; PIN_NUMBER "3" at 345.163,339.202 h0.25; PIN_NUMBER "7" at 345.163,337.21 h0.25; PIN_NUMBER "8" at 345.163,336.636 h0.25; ASSEMBLY_BOTTOM "RPACK8-22" at 347.475,340.451 h1.02 r90; ASSEMBLY_BOTTOM "TOL" at 347.475,340.578 h1.02 r90; ASSEMBLY_BOTTOM "PART#" at 347.475,340.578 h1.02 r90
RN15: PIN_NUMBER "9" at 343.538,346.796 h0.25; PIN_NUMBER "5" at 345.163,348.366 h0.25; PIN_NUMBER "10" at 343.207,347.37 h0.25; PIN_NUMBER "4" at 345.163,348.864 h0.25; PIN_NUMBER "11" at 343.207,347.868 h0.25; PIN_NUMBER "3" at 345.163,349.362 h0.25; PIN_NUMBER "2" at 345.163,349.86 h0.25; PIN_NUMBER "12" at 343.207,348.366 h0.25; PIN_NUMBER "1" at 345.163,350.434 h0.25; PIN_NUMBER "13" at 343.207,348.864 h0.25; PIN_NUMBER "14" at 343.207,349.362 h0.25; PIN_NUMBER "15" at 343.207,349.86 h0.25; PIN_NUMBER "16" at 343.207,350.434 h0.25; PIN_NUMBER "8" at 345.163,346.796 h0.25; PIN_NUMBER "7" at 345.163,347.37 h0.25; PIN_NUMBER "6" at 345.163,347.868 h0.25; ASSEMBLY_BOTTOM "RPACK8-10" at 347.475,350.611 h1.02 r90; ASSEMBLY_BOTTOM "TOL" at 347.475,350.738 h1.02 r90; ASSEMBLY_BOTTOM "PART#" at 347.475,350.738 h1.02 r90
RN16: PIN_NUMBER "3" at 345.163,344.282 h0.25; PIN_NUMBER "2" at 345.163,344.78 h0.25; PIN_NUMBER "7" at 345.163,342.29 h0.25; PIN_NUMBER "6" at 345.163,342.788 h0.25; PIN_NUMBER "1" at 345.163,345.354 h0.25; PIN_NUMBER "4" at 345.163,343.784 h0.25; PIN_NUMBER "15" at 343.207,344.78 h0.25; PIN_NUMBER "16" at 343.207,345.354 h0.25; PIN_NUMBER "10" at 343.207,342.29 h0.25; PIN_NUMBER "13" at 343.207,343.784 h0.25; PIN_NUMBER "12" at 343.207,343.286 h0.25; PIN_NUMBER "11" at 343.207,342.788 h0.25; PIN_NUMBER "14" at 343.207,344.282 h0.25; PIN_NUMBER "5" at 345.163,343.286 h0.25; PIN_NUMBER "9" at 343.538,341.716 h0.25; PIN_NUMBER "8" at 345.163,341.716 h0.25; ASSEMBLY_BOTTOM "RPACK8-22" at 347.475,345.531 h1.02 r90; ASSEMBLY_BOTTOM "TOL" at 347.475,345.658 h1.02 r90; ASSEMBLY_BOTTOM "PART#" at 347.475,345.658 h1.02 r90
RN17: PIN_NUMBER "6" at 345.163,322.468 h0.25; PIN_NUMBER "5" at 345.163,322.966 h0.25; PIN_NUMBER "14" at 343.207,323.962 h0.25; PIN_NUMBER "13" at 343.207,323.464 h0.25; PIN_NUMBER "12" at 343.207,322.966 h0.25; PIN_NUMBER "11" at 343.207,322.468 h0.25; PIN_NUMBER "10" at 343.207,321.97 h0.25; PIN_NUMBER "9" at 343.538,321.396 h0.25; PIN_NUMBER "8" at 345.163,321.396 h0.25; PIN_NUMBER "16" at 343.207,325.034 h0.25; PIN_NUMBER "15" at 343.207,324.46 h0.25; PIN_NUMBER "4" at 345.163,323.464 h0.25; PIN_NUMBER "3" at 345.163,323.962 h0.25; PIN_NUMBER "2" at 345.163,324.46 h0.25; PIN_NUMBER "1" at 345.163,325.034 h0.25; PIN_NUMBER "7" at 345.163,321.97 h0.25; ASSEMBLY_BOTTOM "RPACK8-10" at 347.475,325.211 h1.02 r90; ASSEMBLY_BOTTOM "TOL" at 347.475,325.338 h1.02 r90; ASSEMBLY_BOTTOM "PART#" at 347.475,325.338 h1.02 r90
RN18: PIN_NUMBER "5" at 345.163,328.046 h0.25; PIN_NUMBER "4" at 345.163,328.544 h0.25; PIN_NUMBER "3" at 345.163,329.042 h0.25; PIN_NUMBER "2" at 345.163,329.54 h0.25; PIN_NUMBER "16" at 343.207,330.114 h0.25; PIN_NUMBER "15" at 343.207,329.54 h0.25; PIN_NUMBER "14" at 343.207,329.042 h0.25; PIN_NUMBER "1" at 345.163,330.114 h0.25; PIN_NUMBER "13" at 343.207,328.544 h0.25; PIN_NUMBER "12" at 343.207,328.046 h0.25; PIN_NUMBER "11" at 343.207,327.548 h0.25; PIN_NUMBER "10" at 343.207,327.05 h0.25; PIN_NUMBER "8" at 345.163,326.476 h0.25; PIN_NUMBER "7" at 345.163,327.05 h0.25; PIN_NUMBER "6" at 345.163,327.548 h0.25; PIN_NUMBER "9" at 343.538,326.476 h0.25; ASSEMBLY_BOTTOM "RPACK8-10" at 347.475,330.291 h1.02 r90; ASSEMBLY_BOTTOM "TOL" at 347.475,330.418 h1.02 r90; ASSEMBLY_BOTTOM "PART#" at 347.475,330.418 h1.02 r90
RN19: PIN_NUMBER "13" at 357.983,352.73 h0.25 r270; PIN_NUMBER "12" at 357.485,352.73 h0.25 r270; PIN_NUMBER "11" at 356.987,352.73 h0.25 r270; PIN_NUMBER "10" at 356.489,352.73 h0.25 r270; PIN_NUMBER "9" at 356.118,352.603 h0.25 r270; PIN_NUMBER "16" at 359.552,352.73 h0.25 r270; PIN_NUMBER "15" at 358.978,352.73 h0.25 r270; PIN_NUMBER "14" at 358.48,352.73 h0.25 r270; PIN_NUMBER "3" at 358.684,350.977 h0.25 r270; PIN_NUMBER "4" at 358.186,350.977 h0.25 r270; PIN_NUMBER "5" at 357.688,350.977 h0.25 r270; PIN_NUMBER "6" at 357.19,350.977 h0.25 r270; PIN_NUMBER "8" at 356.118,350.977 h0.25 r270; PIN_NUMBER "1" at 359.755,350.977 h0.25 r270; PIN_NUMBER "2" at 359.181,350.977 h0.25 r270; PIN_NUMBER "7" at 356.692,350.977 h0.25 r270; ASSEMBLY_BOTTOM "RPACK8-10" at 360.136,348.869 h1.02; ASSEMBLY_BOTTOM "TOL" at 360.263,348.869 h1.02; ASSEMBLY_BOTTOM "PART#" at 360.263,348.869 h1.02
RN20: PIN_NUMBER "13" at 357.983,333.045 h0.25 r270; PIN_NUMBER "12" at 357.485,333.045 h0.25 r270; PIN_NUMBER "11" at 356.987,333.045 h0.25 r270; PIN_NUMBER "10" at 356.489,333.045 h0.25 r270; PIN_NUMBER "9" at 356.118,332.918 h0.25 r270; PIN_NUMBER "16" at 359.552,333.045 h0.25 r270; PIN_NUMBER "15" at 358.978,333.045 h0.25 r270; PIN_NUMBER "14" at 358.48,333.045 h0.25 r270; PIN_NUMBER "7" at 356.692,331.292 h0.25 r270; PIN_NUMBER "1" at 359.755,331.292 h0.25 r270; PIN_NUMBER "2" at 359.181,331.292 h0.25 r270; PIN_NUMBER "3" at 358.684,331.292 h0.25 r270; PIN_NUMBER "4" at 358.186,331.292 h0.25 r270; PIN_NUMBER "5" at 357.688,331.292 h0.25 r270; PIN_NUMBER "6" at 357.19,331.292 h0.25 r270; PIN_NUMBER "8" at 356.118,331.292 h0.25 r270; ASSEMBLY_BOTTOM "RPACK8-10" at 360.136,329.184 h1.02; ASSEMBLY_BOTTOM "TOL" at 360.263,329.184 h1.02; ASSEMBLY_BOTTOM "PART#" at 360.263,329.184 h1.02
RN21: PIN_NUMBER "16" at 355.915,338.785 h0.25 r90; PIN_NUMBER "15" at 356.489,338.785 h0.25 r90; PIN_NUMBER "14" at 356.987,338.785 h0.25 r90; PIN_NUMBER "13" at 357.485,338.785 h0.25 r90; PIN_NUMBER "12" at 357.983,338.785 h0.25 r90; PIN_NUMBER "11" at 358.48,338.785 h0.25 r90; PIN_NUMBER "10" at 358.978,338.785 h0.25 r90; PIN_NUMBER "9" at 359.755,338.912 h0.25 r90; PIN_NUMBER "2" at 356.692,340.538 h0.25 r90; PIN_NUMBER "1" at 356.118,340.538 h0.25 r90; PIN_NUMBER "3" at 357.19,340.538 h0.25 r90; PIN_NUMBER "4" at 357.688,340.538 h0.25 r90; PIN_NUMBER "5" at 358.186,340.538 h0.25 r90; PIN_NUMBER "6" at 358.684,340.538 h0.25 r90; PIN_NUMBER "7" at 359.181,340.538 h0.25 r90; PIN_NUMBER "8" at 359.755,340.538 h0.25 r90; ASSEMBLY_BOTTOM "RPACK8-10" at 356.144,342.646 h1.02 r180; ASSEMBLY_BOTTOM "TOL" at 356.017,342.646 h1.02 r180; ASSEMBLY_BOTTOM "PART#" at 356.017,342.646 h1.02 r180
RN22: PIN_NUMBER "15" at 356.489,319.1 h0.25 r90; PIN_NUMBER "12" at 357.983,319.1 h0.25 r90; PIN_NUMBER "16" at 355.915,319.1 h0.25 r90; PIN_NUMBER "13" at 357.485,319.1 h0.25 r90; PIN_NUMBER "10" at 358.978,319.1 h0.25 r90; PIN_NUMBER "11" at 358.48,319.1 h0.25 r90; PIN_NUMBER "9" at 359.755,319.227 h0.25 r90; PIN_NUMBER "5" at 358.186,320.853 h0.25 r90; PIN_NUMBER "3" at 357.19,320.853 h0.25 r90; PIN_NUMBER "2" at 356.692,320.853 h0.25 r90; PIN_NUMBER "14" at 356.987,319.1 h0.25 r90; PIN_NUMBER "1" at 356.118,320.853 h0.25 r90; PIN_NUMBER "7" at 359.181,320.853 h0.25 r90; PIN_NUMBER "8" at 359.755,320.853 h0.25 r90; PIN_NUMBER "6" at 358.684,320.853 h0.25 r90; PIN_NUMBER "4" at 357.688,320.853 h0.25 r90; ASSEMBLY_BOTTOM "RPACK8-10" at 356.144,322.961 h1.02 r180; ASSEMBLY_BOTTOM "TOL" at 356.017,322.961 h1.02 r180; ASSEMBLY_BOTTOM "PART#" at 356.017,322.961 h1.02 r180
RN23: PIN_NUMBER "3" at 372.156,276.746 h0.25 r90; PIN_NUMBER "4" at 372.73,276.746 h0.25 r90; PIN_NUMBER "2" at 371.658,276.746 h0.25 r90; PIN_NUMBER "1" at 371.084,276.746 h0.25 r90; PIN_NUMBER "8" at 371.084,275.577 h0.25 r90; PIN_NUMBER "7" at 371.658,275.577 h0.25 r90; PIN_NUMBER "6" at 372.156,275.577 h0.25 r90; PIN_NUMBER "5" at 372.73,275.577 h0.25 r90; ASSEMBLY_BOTTOM "RPACK4-10K" at 371.109,279.146 h1.02 r180; ASSEMBLY_BOTTOM "TOL" at 370.982,279.146 h1.02 r180; ASSEMBLY_BOTTOM "PART#" at 370.982,279.146 h1.02 r180
RN24: PIN_NUMBER "7" at 372.156,285.763 h0.25 r270; PIN_NUMBER "6" at 371.658,285.763 h0.25 r270; PIN_NUMBER "5" at 371.084,285.763 h0.25 r270; PIN_NUMBER "8" at 372.73,285.763 h0.25 r270; PIN_NUMBER "2" at 372.156,284.594 h0.25 r270; PIN_NUMBER "1" at 372.73,284.594 h0.25 r270; PIN_NUMBER "4" at 371.084,284.594 h0.25 r270; PIN_NUMBER "3" at 371.658,284.594 h0.25 r270; ASSEMBLY_BOTTOM "RPACK4-1K" at 373.111,282.194 h1.02; ASSEMBLY_BOTTOM "TOL" at 373.238,282.194 h1.02; ASSEMBLY_BOTTOM "PART#" at 373.238,282.194 h1.02